# Altium PCB USB3.2_Hub_4Port.PcbDoc (part 3 of 4) (continued)
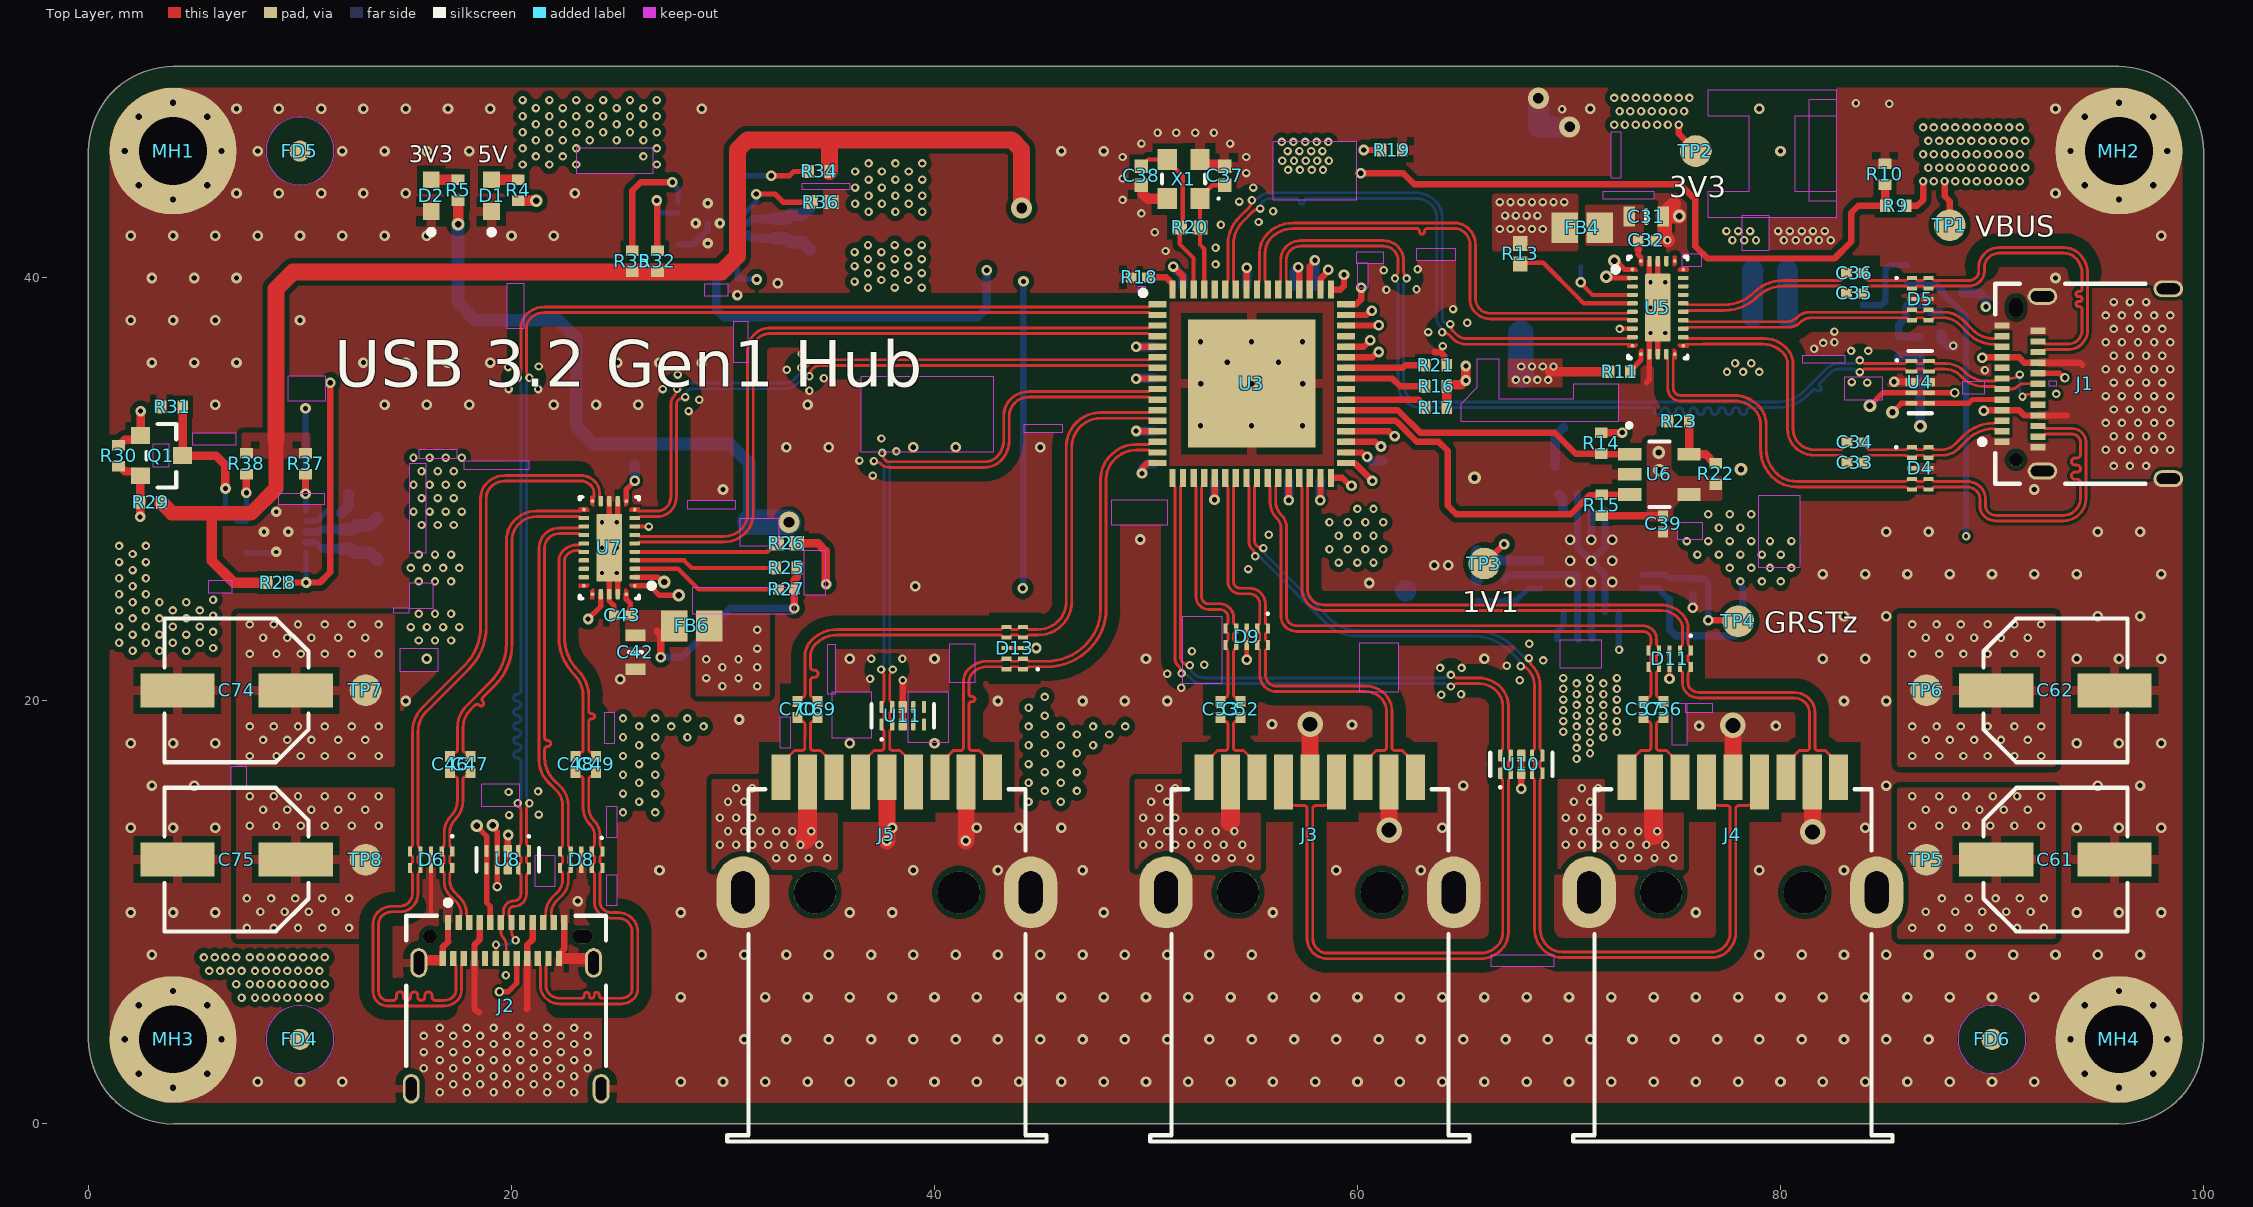
[diagram p0: Top Layer view]
## Nets (pads, with @x,y where several pads share a name; then routed paths per layer and width w, separated by ;. In a path a pad name is that pad's centre, name@x,y a point inside that pad or via, vN(x,y) a via of type N, cw(c..) or ccw(c..) an arc to the next point about the centre after c; other vN are vias at no path point) (continued)
SSTX1_UP_CONN_P: C33.2 D4.2 D4.9 J1.A2 | length 7.4
  Top Layer w0.136: C33.2@83.894,31.267 ccw(c83.894,31.319) 83.93,31.282 84.047,31.399 ccw(c83.959,31.487) 84.084,31.487 cw(c84.209,31.487) 84.12,31.576 84.123,31.579 cw(c84.219,31.483) 84.219,31.619 85.851,31.619 cw(c85.851,31.347) 86.043,31.539 86.043,31.532 86.059,31.516 ccw(c86.098,31.555) 86.098,31.5 D4.2@86.212,31.5 86.35,31.5 86.382,31.532 86.382,31.539 86.462,31.619 86.738,31.619 86.818,31.539 86.818,31.532 86.85,31.5 D4.9@86.987,31.5 87.079,31.5 ccw(c87.079,31.61) 87.157,31.532 87.157,31.539 87.197,31.579 cw(c87.293,31.483) 87.293,31.619 87.668,31.619 ccw(c87.668,32.66) 88.405,31.924 88.839,32.357 cw(c90.073,31.123) 90.073,32.869 cw(c90.073,32.666) 90.216,32.809 ccw(c90.359,32.952) 90.359,32.75 J1.A2@90.475,32.75
SSTX2_DN1_C_N: C49.1 U7.21 | length 11.3
  Top Layer w0.136: U7.21@23.425,27.05 23.323,27.05 cw(c23.323,27.167) 23.241,27.084 ccw(c23.158,27.002) 23.158,27.119 23.101,27.119 ccw(c23.101,26.454) 22.631,26.924 ccw(c22.938,26.617) 22.504,26.617 22.504,22.998 ccw(c24.7,22.998) 22.506,22.906 ccw(c24.7,22.998) 23.148,21.446 cw(c21.93,20.228) 23.524,20.879 cw(c21.93,20.228) 23.652,20.228 23.652,19.766 23.652,19.53 ccw(c23.787,19.53) 23.787,19.394 23.812,19.394 cw(c23.812,19.277) 23.93,19.277 cw(c23.812,19.277) 23.812,19.159 23.787,19.159 ccw(c23.787,19.023) 23.652,19.023 23.652,18.72 23.652,17.709 ccw(c23.798,17.709) 23.695,17.605 ccw(c23.783,17.693) 23.783,17.568 cw(c23.783,17.444) 23.871,17.532 23.988,17.415 cw(c23.951,17.379) C49.1@24.003,17.379
SSTX2_DN1_C_P: C48.1 U7.20 | length 11.3
  Top Layer w0.136: C48.1@23.038,17.379 cw(c23.09,17.379) 23.053,17.415 23.17,17.532 cw(c23.258,17.444) 23.258,17.568 ccw(c23.258,17.693) 23.346,17.605 ccw(c23.242,17.709) 23.389,17.709 23.389,20.228 ccw(c21.93,20.228) 22.962,21.26 cw(c24.7,22.999) 22.241,22.999 22.241,26.617 cw(c22.938,26.617) 22.445,27.11 cw(c23.101,26.454) 23.101,27.381 23.158,27.381 ccw(c23.158,27.498) 23.241,27.416 cw(c23.323,27.333) 23.323,27.45 U7.20@23.425,27.45
SSTX2_DN1_CONN_N: C49.2 D8.1 D8.10 J2.B3 | length 18.7
  Top Layer w0.136: J2.B3@21.25,7.825 21.25,7.709 ccw(c21.452,7.709) 21.309,7.566 cw(c21.166,7.423) 21.369,7.423 21.369,6.537 ccw(c22.184,6.537) 21.607,5.961 ccw(c22.284,6.637) 22.284,5.681 25.174,5.681 ccw(c25.174,6.551) 25.789,5.935 ccw(c25.358,6.367) 25.968,6.367 25.968,9.085 ccw(c25.062,9.085) 25.062,9.991 24.777,9.991 cw(c24.777,10.654) 24.308,10.185 cw(c24.613,10.49) 24.181,10.49 24.181,11.807 cw(c24.317,11.807) 24.221,11.903 24.261,11.943 24.268,11.943 ccw(c24.19,12.021) 24.3,12.021 D8.10@24.3,12.113 24.3,12.25 24.268,12.282 24.261,12.282 24.181,12.362 24.181,12.638 24.261,12.718 24.268,12.718 24.3,12.75 D8.1@24.3,12.888 24.3,13.002 ccw(c24.245,13.002) 24.284,13.041 24.268,13.057 24.261,13.057 cw(c24.453,13.249) 24.181,13.249 24.181,13.677 ccw(c23.253,13.677) 23.91,14.334 cw(c24.532,14.956) 23.652,14.956 23.652,16.296 cw(c23.787,16.296) 23.692,16.392 23.695,16.395 cw(c23.783,16.307) 23.783,16.432 ccw(c23.783,16.556) 23.871,16.468 23.988,16.585 ccw(c23.951,16.621) C49.2@24.003,16.621
SSTX2_DN1_CONN_P: C48.2 D8.2 D8.9 J2.B2 | length 18.6
  Top Layer w0.136: J2.B2@21.75,7.825 21.75,7.709 cw(c21.548,7.709) 21.691,7.566 ccw(c21.834,7.423) 21.631,7.423 21.631,6.537 ccw(c22.184,6.537) 21.793,6.147 ccw(c22.284,6.637) 22.284,5.944 23.305,5.944 ccw(c23.305,6.079) 23.441,6.079 23.441,6.111 cw(c23.558,6.111) 23.558,6.229 cw(c23.558,6.111) 23.676,6.111 23.676,6.061 ccw(c23.794,6.061) 23.794,5.944 ccw(c23.794,6.061) 23.912,6.061 23.912,6.111 cw(c24.03,6.111) 24.03,6.229 cw(c24.03,6.111) 24.147,6.111 24.147,6.079 ccw(c24.283,6.079) 24.283,5.944 24.586,5.944 25.174,5.944 ccw(c25.174,6.551) 25.603,6.121 ccw(c25.358,6.367) 25.705,6.367 25.705,9.085 ccw(c25.062,9.085) 25.062,9.728 24.777,9.728 cw(c24.777,10.654) 24.122,9.999 cw(c24.613,10.49) 23.919,10.49 23.919,11.807 ccw(c23.783,11.807) 23.879,11.903 23.839,11.943 23.832,11.943 cw(c23.91,12.021) 23.8,12.021 D8.9@23.8,12.113 23.8,12.25 23.832,12.282 23.839,12.282 23.919,12.362 23.919,12.638 23.839,12.718 23.832,12.718 23.8,12.75 D8.2@23.8,12.888 23.8,13.002 cw(c23.855,13.002) 23.816,13.041 23.832,13.057 23.839,13.057 ccw(c23.647,13.249) 23.919,13.249 23.919,13.677 ccw(c23.253,13.677) 23.724,14.148 cw(c24.532,14.956) 23.389,14.956 23.389,16.296 ccw(c23.253,16.296) 23.349,16.392 23.346,16.395 ccw(c23.258,16.307) 23.258,16.432 cw(c23.258,16.556) 23.17,16.468 23.053,16.585 cw(c23.09,16.621) C48.2@23.038,16.621
SSTX2_UP_C_N: C36.1 U5.21 | length 8.2
  Top Layer w0.136: U5.21@75.4,38.8 75.502,38.8 cw(c75.502,38.683) 75.584,38.766 ccw(c75.667,38.848) 75.667,38.731 77.357,38.731 ccw(c77.357,40.651) 78.715,39.294 cw(c80.136,37.873) 80.136,39.882 82.786,39.882 ccw(c82.786,40.018) 82.882,39.922 82.885,39.925 ccw(c82.797,40.014) 82.921,40.014 cw(c83.046,40.014) 82.958,40.102 83.075,40.218 cw(c83.111,40.182) C36.1@83.111,40.234
SSTX2_UP_C_P: C35.1 U5.20 | length 8.2
  Top Layer w0.136: U5.20@75.4,38.4 75.502,38.4 ccw(c75.502,38.517) 75.584,38.434 cw(c75.667,38.352) 75.667,38.469 77.357,38.469 ccw(c77.357,40.651) 78.901,39.108 cw(c80.136,37.873) 80.136,39.62 82.786,39.62 cw(c82.786,39.484) 82.882,39.58 82.885,39.577 cw(c82.797,39.488) 82.921,39.488 ccw(c83.046,39.488) 82.958,39.4 83.075,39.284 ccw(c83.111,39.32) C35.1@83.111,39.268
SSTX2_UP_CONN_N: C36.2 D5.1 D5.10 J1.B3 | length 18.3
  Top Layer w0.136: C36.2@83.868,40.234 cw(c83.868,40.182) 83.905,40.218 84.022,40.102 cw(c83.934,40.014) 84.058,40.014 ccw(c84.183,40.014) 84.095,39.925 84.098,39.922 ccw(c84.194,40.018) 84.194,39.882 85.266,39.882 85.267,39.881 85.851,39.881 ccw(c85.851,40.153) 86.043,39.961 86.043,39.968 86.059,39.984 cw(c86.098,39.945) 86.098,40 D5.1@86.212,40 86.35,40 86.382,39.968 86.382,39.961 86.462,39.881 86.738,39.881 86.818,39.961 86.818,39.968 86.85,40 D5.10@86.987,40 87.102,40 cw(c87.102,39.945) 87.141,39.984 87.157,39.968 87.157,39.961 ccw(c87.357,40.161) 87.357,39.878 88.888,39.878 ccw(c88.888,40.398) 89.256,40.03 ccw(c88.971,40.315) 89.374,40.315 89.374,40.513 cw(c90.25,40.513) 89.63,41.133 89.654,41.156 cw(c90.33,40.48) 90.33,41.436 93.403,41.436 cw(c93.403,40.393) 94.141,41.131 cw(c93.219,40.209) 94.522,40.209 94.522,37.549 cw(c93.566,37.549) 94.242,36.873 cw(c93.629,37.486) 93.629,36.619 92.577,36.619 ccw(c92.577,36.416) 92.434,36.559 cw(c92.291,36.702) 92.291,36.5 J1.B3@92.175,36.5
SSTX2_UP_CONN_P: C35.2 D5.2 D5.9 J1.B2 | length 18.2
  Top Layer w0.136: C35.2@83.868,39.268 ccw(c83.868,39.32) 83.905,39.284 84.022,39.4 ccw(c83.934,39.488) 84.058,39.488 cw(c84.183,39.488) 84.095,39.577 84.098,39.58 cw(c84.194,39.484) 84.194,39.62 85.157,39.62 85.158,39.619 85.851,39.619 cw(c85.851,39.347) 86.043,39.539 86.043,39.532 86.059,39.516 ccw(c86.098,39.555) 86.098,39.5 D5.2@86.212,39.5 86.35,39.5 86.382,39.532 86.382,39.539 86.462,39.619 86.738,39.619 86.818,39.539 86.818,39.532 86.85,39.5 D5.9@86.987,39.5 87.102,39.5 ccw(c87.102,39.555) 87.141,39.516 87.157,39.532 87.157,39.536 cw(c87.349,39.344) 87.349,39.615 88.888,39.615 ccw(c88.888,40.398) 89.442,39.844 ccw(c88.971,40.315) 89.637,40.315 89.637,40.513 cw(c90.25,40.513) 89.816,40.947 89.84,40.97 cw(c90.33,40.48) 90.33,41.173 93.403,41.173 cw(c93.403,40.393) 93.955,40.945 cw(c93.219,40.209) 94.259,40.209 94.259,39.798 94.259,39.494 cw(c94.124,39.494) 94.124,39.359 94.091,39.359 ccw(c94.091,39.241) 93.973,39.241 ccw(c94.091,39.241) 94.091,39.123 94.142,39.123 cw(c94.142,39.005) 94.259,39.005 cw(c94.142,39.005) 94.142,38.888 94.091,38.888 ccw(c94.091,38.77) 93.973,38.77 ccw(c94.091,38.77) 94.091,38.652 94.124,38.652 cw(c94.124,38.516) 94.259,38.516 94.259,37.549 cw(c93.566,37.549) 94.056,37.059 cw(c93.629,37.486) 93.629,36.881 92.577,36.881 cw(c92.577,37.084) 92.434,36.941 ccw(c92.291,36.798) 92.291,37 J1.B2@92.175,37
SSTX_DN2_C_N: C69.2 J5.8 | length 3.7
  Top Layer w0.136: 34.131,18.218 34.131,17.793 ccw(c34.267,17.793) 34.267,17.658 34.612,17.658 35.25,17.02 J5.8@35.25,16.395 ; 34.132,18.219 34.132,18.896 cw(c34.268,18.896) 34.172,18.992 34.178,18.998 cw(c34.259,18.916) 34.259,19.032 ccw(c34.259,19.147) 34.341,19.065 34.46,19.185 ccw(c34.424,19.221) C69.2@34.476,19.221
SSTX_DN2_C_P: C70.2 J5.9 | length 3.7
  Top Layer w0.136: J5.9@32.75,16.395 32.75,17.02 33.388,17.658 33.733,17.658 ccw(c33.733,17.793) 33.868,17.793 33.868,18.218 cw(c34.131,18.218) 33.869,18.236 33.869,18.24 ; C70.2@33.526,19.221 ccw(c33.577,19.221) 33.541,19.185 33.66,19.065 ccw(c33.742,19.147) 33.742,19.032 cw(c33.742,18.916) 33.823,18.998 33.829,18.992 cw(c33.734,18.896) 33.869,18.896 33.869,18.328 ; 33.868,18.327 33.869,18.241
SSTX_DN3_C_N: C52.2 J3.8 | length 3.7
  Top Layer w0.136: C52.2@54.475,19.221 cw(c54.423,19.221) 54.46,19.185 54.34,19.065 cw(c54.259,19.147) 54.259,19.032 ccw(c54.259,18.916) 54.177,18.998 54.171,18.992 ccw(c54.267,18.896) 54.131,18.896 54.131,17.793 ccw(c54.267,17.793) 54.267,17.658 54.612,17.658 55.25,17.02 J3.8@55.25,16.395
SSTX_DN3_C_P: C53.2 J3.9 | length 3.7
  Top Layer w0.136: J3.9@52.75,16.395 52.75,17.02 53.388,17.658 53.733,17.658 ccw(c53.733,17.793) 53.869,17.793 53.869,18.896 ccw(c53.733,18.896) 53.829,18.992 53.823,18.998 ccw(c53.741,18.916) 53.741,19.032 cw(c53.741,19.147) 53.66,19.065 53.54,19.185 cw(c53.577,19.221) C53.2@53.525,19.221
SSTX_DN4_C_N: C56.2 J4.8 | length 3.7
  Top Layer w0.136: C56.2@74.475,19.221 cw(c74.423,19.221) 74.46,19.185 74.34,19.065 cw(c74.259,19.147) 74.259,19.032 ccw(c74.259,18.916) 74.177,18.998 ccw(c74.287,18.888) 74.131,18.888 74.131,17.793 ccw(c74.267,17.793) 74.267,17.658 74.612,17.658 75.25,17.02 J4.8@75.25,16.395
SSTX_DN4_C_P: C57.2 J4.9 | length 3.7
  Top Layer w0.136: J4.9@72.75,16.395 72.75,17.02 73.388,17.658 73.733,17.658 ccw(c73.733,17.793) 73.869,17.793 73.869,18.888 ccw(c73.713,18.888) 73.823,18.998 ccw(c73.741,18.916) 73.741,19.032 cw(c73.741,19.147) 73.66,19.065 73.54,19.185 cw(c73.577,19.221) C57.2@73.525,19.221
USB_DN1_N: J2.A7 J2.B7 U3.2 U8.1 U8.10 | length 61.8
  Top Layer w0.136: J2.B7@19.25,7.825 ccw(c19.207,7.868) 19.268,7.868 v1(19.268,8.473) ; v1(20.193,8.687) cw(c20.659,9.153) 20,9.153 J2.A7@20,9.525 20,9.641 ccw(c19.798,9.641) 19.941,9.784 cw(c20.084,9.927) 19.881,9.927 19.881,10.052 cw(c20.117,10.052) 20.117,10.287 ccw(c20.117,10.877) 20.706,10.877 20.706,11.732 cw(c20.842,11.732) U8.10@20.746,11.828 ; U8.10@20.746,11.828 20.786,11.868 20.793,11.868 ccw(c20.715,11.946) 20.825,11.946 U8.10@20.825,12.083 20.825,12.265 20.793,12.297 20.786,12.297 20.706,12.377 20.706,12.623 20.786,12.703 20.793,12.703 20.825,12.735 U8.1@20.825,12.918 20.825,13.077 ccw(c20.77,13.077) 20.809,13.116 20.793,13.132 20.786,13.132 cw(c20.978,13.324) 20.706,13.324 20.706,14.851 cw(c20.951,14.851) 20.778,15.024 20.802,15.047 ccw(c20.686,15.164) v1(20.85,15.164) ; v1(20.85,35.281) ccw(c20.686,35.281) 20.802,35.397 cw(c21.032,35.627) 20.706,35.627 20.706,37.623 cw(c21.381,37.623) 20.904,38.1 cw(c21.552,37.452) 21.552,38.369 21.807,38.369 30.17,38.369 50.156,38.369 50.275,38.25 U3.2@50.55,38.25
  Bottom Layer w0.136: v1(19.268,8.473) 19.677,8.473 ccw(c19.677,9.203) v1(20.193,8.687) ; v1(20.85,15.164) ccw(c20.686,15.164) 20.802,15.28 cw(c21.032,15.51) 20.706,15.51 20.706,34.967 cw(c20.951,34.967) 20.778,35.141 20.802,35.164 ccw(c20.686,35.281) v1(20.85,35.281)
USB_DN1_P: J2.A6 J2.B6 U3.1 U8.2 U8.9 | length 63.4
  Top Layer w0.136: J2.B6@19.75,7.825 19.75,8.473 ccw(c19.268,8.473) 19.609,8.814 cw(c19.871,9.076) 19.5,9.076 J2.A6@19.5,9.525 19.5,9.641 cw(c19.702,9.641) 19.559,9.784 ccw(c19.416,9.927) 19.619,9.927 19.619,10.052 cw(c20.117,10.052) 20.117,10.55 ccw(c20.117,10.877) 20.444,10.877 20.444,11.732 ccw(c20.308,11.732) 20.404,11.828 20.364,11.868 20.357,11.868 cw(c20.435,11.946) 20.325,11.946 U8.9@20.325,12.083 20.325,12.265 20.357,12.297 20.364,12.297 20.444,12.377 20.444,12.623 20.364,12.703 20.357,12.703 20.325,12.735 U8.2@20.325,12.918 20.325,13.077 cw(c20.38,13.077) 20.341,13.116 20.357,13.132 20.364,13.132 ccw(c20.172,13.324) 20.444,13.324 20.444,14.851 ccw(c20.199,14.851) 20.372,15.024 20.348,15.047 cw(c20.464,15.164) v1(20.3,15.164) ; v1(20.3,35.281) cw(c20.464,35.281) 20.348,35.397 ccw(c20.118,35.627) 20.444,35.627 20.444,37.623 cw(c21.382,37.623) 20.718,38.286 cw(c21.552,37.452) 21.552,38.631 50.156,38.631 50.275,38.75 U3.1@50.55,38.75
  Bottom Layer w0.136: v1(20.3,15.164) cw(c20.464,15.164) 20.348,15.28 ccw(c20.118,15.51) 20.444,15.51 20.444,16.358 20.444,17.131 ccw(c20.276,17.131) 20.276,17.299 20.27,17.299 cw(c20.27,17.467) 20.102,17.467 cw(c20.27,17.467) 20.27,17.635 20.276,17.635 ccw(c20.276,17.802) 20.444,17.802 ccw(c20.276,17.802) 20.276,17.97 20.27,17.97 cw(c20.27,18.138) 20.102,18.138 cw(c20.27,18.138) 20.27,18.306 20.276,18.306 ccw(c20.276,18.474) 20.444,18.474 ccw(c20.276,18.474) 20.276,18.641 20.27,18.641 cw(c20.27,18.809) 20.102,18.809 cw(c20.27,18.809) 20.27,18.977 20.276,18.977 ccw(c20.276,19.145) 20.444,19.145 ccw(c20.276,19.145) 20.276,19.313 20.27,19.313 cw(c20.27,19.48) 20.102,19.48 cw(c20.27,19.48) 20.27,19.648 20.276,19.648 ccw(c20.276,19.816) 20.444,19.816 ccw(c20.276,19.816) 20.276,19.984 20.27,19.984 cw(c20.27,20.152) 20.102,20.152 cw(c20.27,20.152) 20.27,20.319 20.276,20.319 ccw(c20.276,20.487) 20.444,20.487 20.444,20.891 20.444,34.967 ccw(c20.199,34.967) 20.372,35.141 20.348,35.164 cw(c20.464,35.281) v1(20.3,35.281)
USB_DN2_N: J5.2 U3.10 U11.1 U11.10 | length 32.3
  Top Layer w0.136: J5.2@36.5,16.17 36.5,17.02 37.138,17.658 37.483,17.658 ccw(c37.483,17.793) 37.618,17.793 37.618,18.532 ccw(c37.483,18.532) 37.579,18.628 37.539,18.668 37.532,18.668 cw(c37.61,18.746) 37.5,18.746 U11.1@37.5,18.882 37.5,19.065 37.532,19.097 37.539,19.097 37.619,19.177 37.619,19.423 37.539,19.503 37.532,19.503 37.5,19.535 U11.10@37.5,19.717 37.5,19.877 cw(c37.555,19.877) 37.516,19.916 37.532,19.932 37.539,19.932 ccw(c37.347,20.124) 37.619,20.124 37.619,21.175 ccw(c37.374,21.175) 37.547,21.349 37.523,21.372 cw(c37.639,21.488) v1(37.475,21.488) ; v1(37.135,31.344) ccw(c37.251,31.46) 37.251,31.295 cw(c37.251,30.97) 37.481,31.2 ccw(c37.853,31.572) 37.853,31.046 42.377,31.046 ccw(c42.377,32.121) 43.137,31.361 ccw(c42.176,32.322) 43.536,32.322 43.536,33.474 cw(c44.403,33.474) 43.79,34.087 cw(c44.47,33.407) 44.47,34.369 50.073,34.369 cw(c50.073,34.166) 50.216,34.309 ccw(c50.359,34.452) 50.359,34.25 U3.10@50.55,34.25
  Bottom Layer w0.136: v1(37.135,31.344) ccw(c37.251,31.46) 37.251,31.295 37.284,31.295 cw(c37.284,31.05) 37.457,31.224 37.502,31.179 cw(c37.221,30.898) 37.619,30.898 37.619,21.835 cw(c37.293,21.835) 37.523,21.605 ccw(c37.639,21.488) v1(37.475,21.488)
USB_DN2_P: J5.3 U3.9 U11.2 U11.9 | length 32.4
  Top Layer w0.136: v1(37.524,31.733) cw(c37.407,31.616) 37.572,31.616 37.572,31.603 ccw(c37.866,31.603) 37.658,31.395 ccw(c37.866,31.603) 37.866,31.309 42.377,31.309 ccw(c42.377,32.121) 42.951,31.547 ccw(c42.176,32.322) 43.273,32.322 43.273,33.474 cw(c44.403,33.474) 43.604,34.273 cw(c44.47,33.407) 44.47,34.631 50.073,34.631 ccw(c50.073,34.834) 50.216,34.691 cw(c50.359,34.548) 50.359,34.75 U3.9@50.55,34.75 ; v1(38.025,21.488) cw(c37.861,21.488) 37.977,21.372 37.953,21.349 ccw(c38.126,21.175) 37.881,21.175 37.881,20.124 ccw(c38.153,20.124) 37.961,19.932 37.968,19.932 37.984,19.916 cw(c37.945,19.877) 38,19.877 U11.9@38,19.717 38,19.535 37.968,19.503 37.961,19.503 37.881,19.423 37.881,19.177 37.961,19.097 37.968,19.097 38,19.065 U11.2@38,18.882 38,18.746 cw(c37.89,18.746) 37.968,18.668 37.961,18.668 37.921,18.628 ccw(c38.017,18.532) 37.881,18.532 37.881,17.793 ccw(c38.017,17.793) 38.017,17.658 38.362,17.658 39,17.02 J5.3@39,16.17
  Bottom Layer w0.136: v1(37.524,31.733) cw(c37.407,31.616) 37.572,31.616 37.572,31.583 ccw(c37.817,31.583) 37.644,31.41 37.727,31.327 cw(c37.353,30.953) 37.881,30.953 37.881,21.835 ccw(c38.207,21.835) 37.977,21.605 cw(c37.861,21.488) v1(38.025,21.488)
USB_DN3_N: J3.2 U3.18 U10.2 U10.9 | length 55.2
  Top Layer w0.136: U3.18@51.75,30.55 51.75,30.359 cw(c51.548,30.359) 51.691,30.216 ccw(c51.834,30.073) 51.631,30.073 51.631,22.06 ccw(c51.951,22.06) 51.725,21.833 51.747,21.812 ccw(c51.92,21.985) 51.92,21.74 51.954,21.74 cw(c51.954,21.575) v1(52.07,21.692) ; J3.2@56.5,16.17 56.5,15.704 ccw(c57.152,15.704) 56.691,15.243 ccw(c57.152,15.704) 57.152,15.051 57.483,15.051 cw(c57.483,14.916) 57.579,15.012 cw(c57.483,14.916) 57.619,14.916 57.619,8.783 ccw(c58.593,8.783) 57.904,8.094 ccw(c58.58,8.771) 58.58,7.814 65.802,7.814 ccw(c65.802,9.205) 66.785,8.221 ccw(c65.948,9.059) 67.131,9.059 67.131,16.176 cw(c67.403,16.176) 67.211,16.368 67.218,16.368 67.234,16.384 ccw(c67.195,16.423) 67.25,16.423 U10.2@67.25,16.582 67.25,16.765 67.218,16.797 67.211,16.797 67.131,16.877 67.131,17.123 67.211,17.203 67.218,17.203 67.25,17.235 U10.9@67.25,17.417 67.25,17.577 ccw(c67.195,17.577) 67.234,17.616 67.218,17.632 67.211,17.632 cw(c67.403,17.824) 67.131,17.824 67.131,19.76 ccw(c65.861,19.76) 66.759,20.658 ccw(c65.715,19.614) 65.715,21.091 64.728,21.091 cw(c64.728,21.336) 64.554,21.163 64.531,21.186 ccw(c64.414,21.07) v1(64.414,21.234)
  Bottom Layer w0.136: v1(52.07,21.692) cw(c51.954,21.575) 52.118,21.575 52.118,21.542 ccw(c52.363,21.542) 52.19,21.369 52.293,21.266 ccw(c52.715,21.688) 52.715,21.091 64.068,21.091 ccw(c64.068,21.416) 64.298,21.186 cw(c64.414,21.07) v1(64.414,21.234)
USB_DN3_P: J3.3 U3.17 U10.1 U10.10 | length 54.4
  Top Layer w0.136: U3.17@51.25,30.55 51.25,30.359 ccw(c51.452,30.359) 51.309,30.216 cw(c51.166,30.073) 51.369,30.073 51.369,22.005 ccw(c51.82,22.005) 51.501,21.686 51.561,21.626 cw(c51.388,21.452) 51.633,21.452 51.633,21.419 ccw(c51.797,21.419) v1(51.681,21.303) ; J3.3@59,16.17 59,15.704 cw(c58.348,15.704) 58.809,15.243 cw(c58.348,15.704) 58.348,15.051 58.017,15.051 ccw(c58.017,14.916) 57.921,15.012 ccw(c58.017,14.916) 57.881,14.916 57.881,8.783 ccw(c58.593,8.783) 58.09,8.28 ccw(c58.58,8.771) 58.58,8.077 65.802,8.077 ccw(c65.802,9.205) 66.599,8.407 ccw(c65.948,9.059) 66.869,9.059 66.869,16.176 ccw(c66.597,16.176) 66.789,16.368 66.782,16.368 66.766,16.384 cw(c66.805,16.423) 66.75,16.423 U10.1@66.75,16.582 66.75,16.765 66.782,16.797 66.789,16.797 66.869,16.877 66.869,17.123 66.789,17.203 66.782,17.203 66.75,17.235 U10.10@66.75,17.417 66.75,17.577 cw(c66.805,17.577) 66.766,17.616 66.782,17.632 66.789,17.632 ccw(c66.597,17.824) 66.869,17.824 66.869,19.76 ccw(c65.861,19.76) 66.573,20.472 ccw(c65.715,19.614) 65.715,20.828 64.728,20.828 ccw(c64.728,20.583) 64.554,20.756 64.531,20.733 cw(c64.414,20.849) v1(64.414,20.684)
  Bottom Layer w0.136: v1(51.681,21.303) ccw(c51.797,21.419) 51.797,21.255 51.831,21.255 cw(c51.831,21.01) 52.004,21.183 52.145,21.041 ccw(c52.66,21.556) 52.66,20.828 64.068,20.828 cw(c64.068,20.503) 64.298,20.733 ccw(c64.414,20.849) v1(64.414,20.684)
USB_DN4_N: J4.2 U3.25 U10.5 U10.6 | length 49.4
  Top Layer w0.136: U3.25@55.25,30.55 55.25,30.359 cw(c55.048,30.359) 55.191,30.216 ccw(c55.334,30.073) 55.131,30.073 55.131,27.562 ccw(c55.417,27.562) 55.215,27.361 55.227,27.349 ccw(c55.4,27.522) 55.4,27.277 55.433,27.277 cw(c55.433,27.112) v1(55.55,27.229) ; v1(68.105,22.03) cw(c67.989,21.913) 68.153,21.913 68.153,21.88 ccw(c68.398,21.88) 68.225,21.707 cw(c67.244,20.726) 68.631,20.726 68.631,17.824 ccw(c68.903,17.824) 68.711,17.632 68.718,17.632 68.734,17.616 cw(c68.695,17.577) 68.75,17.577 U10.6@68.75,17.417 68.75,17.235 68.718,17.203 68.711,17.203 68.631,17.123 68.631,16.877 68.711,16.797 68.718,16.797 68.75,16.765 U10.5@68.75,16.582 68.75,16.423 cw(c68.695,16.423) 68.734,16.384 68.718,16.368 68.711,16.368 ccw(c68.903,16.176) 68.631,16.176 68.631,9.228 ccw(c69.756,9.228) 68.961,8.433 ccw(c69.697,9.169) 69.697,8.128 76.73,8.128 ccw(c76.73,8.995) 77.343,8.382 ccw(c76.678,9.047) 77.619,9.047 77.619,14.916 ccw(c77.483,14.916) 77.579,15.012 ccw(c77.483,14.916) 77.483,15.051 77.152,15.051 cw(c77.152,15.704) 76.691,15.243 cw(c77.152,15.704) 76.5,15.704 J4.2@76.5,16.17
  Bottom Layer w0.136: v1(55.55,27.229) cw(c55.433,27.112) 55.598,27.112 ccw(c55.923,27.112) 55.693,26.882 58.681,23.894 ccw(c60.028,25.241) 60.028,23.336 65.435,23.336 cw(c65.435,20.533) 67.417,22.515 67.759,22.173 ccw(c67.989,22.403) 67.989,22.078 cw(c67.989,21.913) v1(68.105,22.03)
USB_DN4_P: J4.3 U3.24 U10.4 U10.7 | length 50.2
  Top Layer w0.136: U3.24@54.75,30.55 54.75,30.359 ccw(c54.952,30.359) 54.809,30.216 cw(c54.666,30.073) 54.869,30.073 54.869,27.508 ccw(c55.285,27.508) 54.991,27.213 55.041,27.163 cw(c54.868,26.99) 55.113,26.99 55.113,26.956 ccw(c55.277,26.956) v1(55.161,26.84) ; v1(67.716,21.641) ccw(c67.833,21.757) 67.833,21.593 67.866,21.593 cw(c67.866,21.348) 68.039,21.521 cw(c67.244,20.726) 68.369,20.726 68.369,17.824 cw(c68.097,17.824) 68.289,17.632 68.282,17.632 68.266,17.616 ccw(c68.305,17.577) 68.25,17.577 U10.7@68.25,17.417 68.25,17.235 68.282,17.203 68.289,17.203 68.369,17.123 68.369,16.877 68.289,16.797 68.282,16.797 68.25,16.765 U10.4@68.25,16.582 68.25,16.423 ccw(c68.305,16.423) 68.266,16.384 68.282,16.368 68.289,16.368 cw(c68.097,16.176) 68.369,16.176 68.369,9.228 ccw(c69.756,9.228) 68.775,8.247 ccw(c69.697,9.169) 69.697,7.865 76.73,7.865 ccw(c76.73,8.995) 77.529,8.196 ccw(c76.678,9.047) 77.881,9.047 77.881,14.916 cw(c78.017,14.916) 77.921,15.012 cw(c78.017,14.916) 78.017,15.051 78.348,15.051 ccw(c78.348,15.704) 78.809,15.243 ccw(c78.348,15.704) 79,15.704 J4.3@79,16.17
  Bottom Layer w0.136: v1(55.161,26.84) ccw(c55.277,26.956) 55.277,26.792 cw(c55.277,26.466) 55.507,26.696 58.573,23.631 ccw(c59.919,24.978) 59.919,23.073 65.435,23.073 cw(c65.435,20.533) 67.231,22.329 67.573,21.987 cw(c67.343,21.757) 67.668,21.757 ccw(c67.833,21.757) v1(67.716,21.641)
USB_SSRX_DN1_N: U3.7 U7.9 | length 30.6
  Top Layer w0.136: U7.9@25.825,28.65 25.927,28.65 ccw(c25.927,28.767) 26.009,28.684 cw(c26.092,28.602) 26.092,28.719 26.901,28.719 ccw(c26.901,29.588) 27.516,28.973 ccw(c26.84,29.65) 27.797,29.65 27.797,34.025 cw(c28.09,34.025) 27.882,34.232 cw(c28.09,34.025) 28.09,34.318 28.103,34.318 ccw(c28.103,34.483) v1(28.219,34.366) ; v1(34.087,35.357) ccw(c33.97,35.473) 34.135,35.473 34.135,35.506 cw(c34.38,35.506) 34.207,35.68 34.265,35.738 cw(c34.58,35.424) 34.58,35.869 50.073,35.869 cw(c50.073,35.666) 50.216,35.809 ccw(c50.359,35.952) 50.359,35.75 U3.7@50.55,35.75
  Bottom Layer w0.136: v1(28.219,34.366) ccw(c28.103,34.483) 28.268,34.483 28.268,34.514 cw(c28.517,34.514) 28.341,34.69 cw(c28.517,34.514) 28.517,34.764 32.883,34.764 ccw(c32.883,35.748) 33.579,35.052 33.74,35.213 cw(c33.97,34.983) 33.97,35.309 ccw(c33.97,35.473) v1(34.087,35.357)
USB_SSRX_DN1_P: U3.6 U7.10 | length 30.6
  Top Layer w0.136: U7.10@25.825,29.05 25.837,29.05 ccw(c26.002,29.215) 26.002,28.981 26.901,28.981 ccw(c26.901,29.588) 27.33,29.159 ccw(c26.84,29.65) 27.534,29.65 27.534,34.038 cw(c28.057,34.038) 27.687,34.409 ccw(c27.457,34.639) 27.782,34.639 cw(c27.947,34.639) v1(27.83,34.755) ; v1(33.698,35.746) cw(c33.814,35.629) 33.814,35.794 33.848,35.794 ccw(c33.848,36.039) 34.021,35.865 34.118,35.963 cw(c34.525,35.555) 34.525,36.131 50.073,36.131 ccw(c50.073,36.334) 50.216,36.191 cw(c50.359,36.048) 50.359,36.25 U3.6@50.55,36.25
  Bottom Layer w0.136: v1(27.83,34.755) cw(c27.947,34.639) 27.947,34.803 ccw(c27.947,35.129) 28.177,34.899 cw(c28.486,34.59) 28.486,35.027 32.883,35.027 ccw(c32.883,35.748) 33.393,35.238 33.554,35.399 ccw(c33.324,35.629) 33.65,35.629 cw(c33.814,35.629) v1(33.698,35.746)
USB_SSRX_DN2_N: D13.1 D13.10 J5.5 U3.15 | length 23.5
  Top Layer w0.136: J5.5@42.75,16.395 42.75,17.02 42.112,17.658 41.767,17.658 cw(c41.767,17.793) 41.631,17.793 41.631,19.531 41.631,19.835 cw(c41.767,19.835) 41.767,19.97 41.794,19.97 ccw(c41.794,20.088) 41.912,20.088 ccw(c41.794,20.088) 41.794,20.206 41.767,20.206 cw(c41.767,20.341) 41.631,20.341 41.631,20.574 41.631,20.909 cw(c42.235,20.909) 41.808,21.336 cw(c42.49,20.654) 42.49,21.619 43.095,21.619 cw(c43.095,21.483) 43.19,21.579 43.23,21.539 43.23,21.532 ccw(c43.308,21.61) 43.308,21.5 D13.10@43.4,21.5 43.537,21.5 43.57,21.532 43.57,21.539 43.649,21.619 43.926,21.619 44.005,21.539 44.005,21.532 44.037,21.5 D13.1@44.175,21.5 44.29,21.5 ccw(c44.29,21.555) 44.329,21.516 44.345,21.532 44.345,21.539 cw(c44.536,21.347) 44.536,21.619 45.315,21.619 ccw(c45.315,24.421) 47.297,22.439 47.349,22.491 ccw(c45.512,24.338) 48.117,24.338 48.117,30.496 cw(c49.387,30.496) 48.489,31.394 48.541,31.446 cw(c49.56,30.427) 49.56,31.869 50.073,31.869 cw(c50.073,31.666) 50.216,31.809 ccw(c50.359,31.952) 50.359,31.75 U3.15@50.55,31.75
USB_SSRX_DN2_P: D13.2 D13.9 J5.6 U3.14 | length 23.6
  Top Layer w0.136: J5.6@40.25,16.395 40.25,17.02 40.888,17.658 41.233,17.658 ccw(c41.233,17.793) 41.368,17.793 41.368,20.909 cw(c42.235,20.909) 41.622,21.522 cw(c42.49,20.654) 42.49,21.881 43.095,21.881 ccw(c43.095,22.017) 43.19,21.921 43.23,21.961 43.23,21.968 cw(c43.308,21.89) 43.308,22 D13.9@43.4,22 43.537,22 43.57,21.968 43.57,21.961 43.649,21.881 43.926,21.881 44.005,21.961 44.005,21.968 44.037,22 D13.2@44.175,22 44.29,22 cw(c44.29,21.945) 44.329,21.984 44.345,21.968 44.345,21.961 ccw(c44.536,22.153) 44.536,21.881 45.315,21.881 ccw(c45.315,24.421) 47.111,22.625 47.168,22.682 ccw(c45.512,24.338) 47.854,24.338 47.854,30.496 cw(c49.387,30.496) 48.303,31.58 48.393,31.671 cw(c49.505,30.559) 49.505,32.131 50.073,32.131 ccw(c50.073,32.334) 50.216,32.191 cw(c50.359,32.048) 50.359,32.25 U3.14@50.55,32.25